# Altium PCB PCB1.PcbDoc (part 1 of 4) (continued)
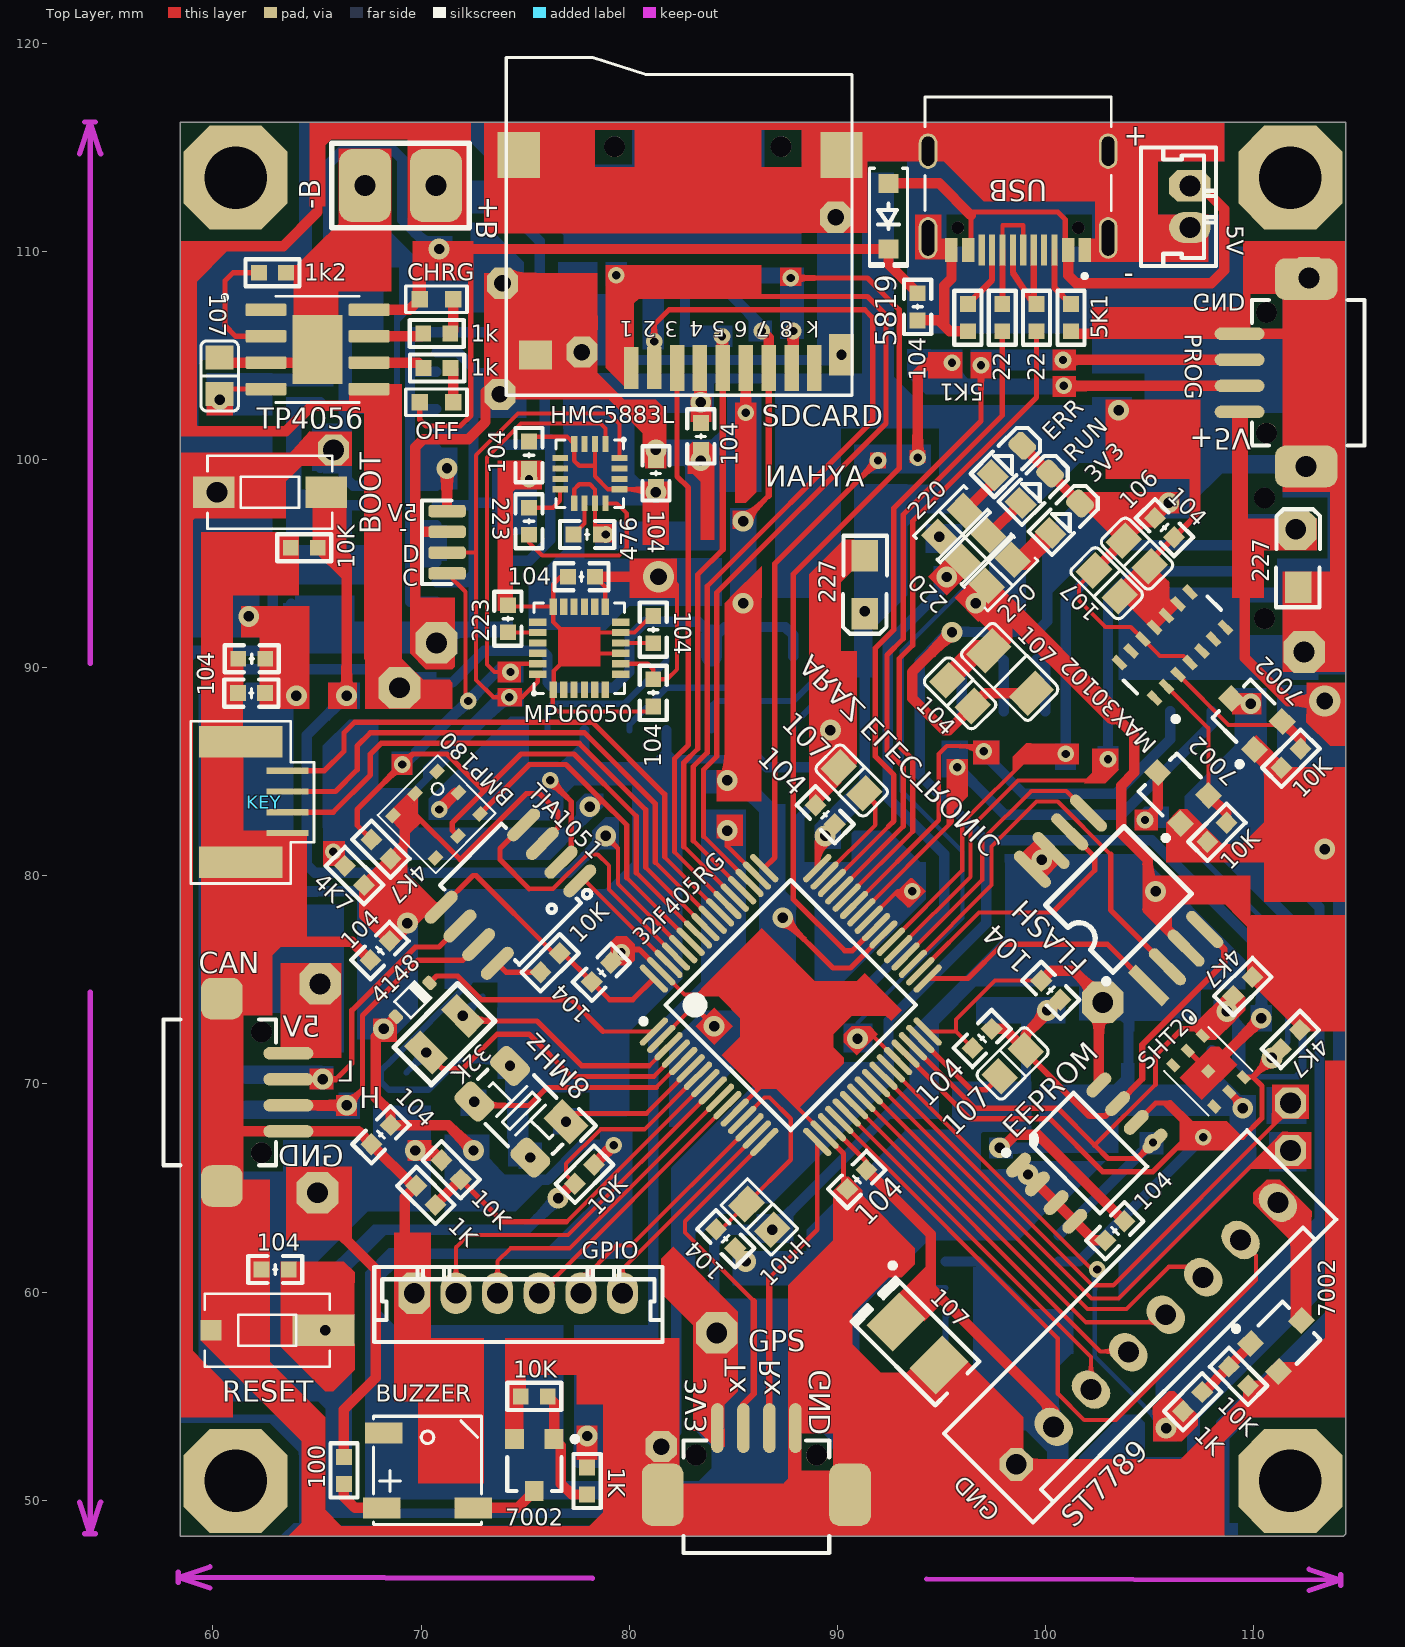
[diagram p0: Top Layer view]
## Components (designator, comment, footprint, x,y, rotation, side; value= is the part's Value field where it differs from the comment) (continued)
FLASH "W25Qxx" SOP8W_N 103.505,78.867 r135 top (schematic designator IC3)
GPIO "Comment" TMS2_6 74.676,59.944 r0 top
GPS "DF13-4" DF13_4S#2 86.106,53.467 r180 top (schematic designator J5)
GSM "DF13-4" DF13_4S#2 109.22,95.25 r90 bottom (schematic designator J3)
HMC5883L "HMC5883L" LPCC16_HNW 78.105,99.314 r270 top (schematic designator IC5)
KEY "Comment" SH1.0mm-4PIN 62.463,83.541 r0 top
MAX30102 "MAX30102EFD+" FP-F143A5-1-MFG 106.089,91.081 r135 top (schematic designator IC8)
MPU6050 "MPU6050" QFN24_4X4X0P9_IVS 77.597,90.932 r90 top (schematic designator IC7)
OFF "Val" LED_0603 70.739,102.743 r180 top (schematic designator LED1)
PROG "DF13-4" DF13_4S#2 109.317,104.161 r270 top (schematic designator J7)
R25 "10K" "R 0603_L" 84.328,109.616 r270 bottom
R26 "10K" "R 0603_L" 82.677,109.616 r270 bottom
R27 "10K" "R 0603_L" 81.026,109.616 r270 bottom
R27 "10K" "R 0603_L" 79.375,109.616 r270 bottom
RESET "WE-Tact Switches WS-TASV 434113043826" 434113043826#2 62.611,58.166 r180 top (schematic designator SW5)
RGB1 "全彩LED" WS2812 76.962,88.773 r270 bottom (schematic designator LED3)
RGB2 "全彩LED" WS2812 80.899,88.773 r270 bottom (schematic designator LED4)
RGB3 "全彩LED" WS2812 84.836,88.773 r270 bottom (schematic designator LED5)
RGB4 "全彩LED" WS2812 88.773,88.773 r270 bottom (schematic designator LED6)
RUN "Comment" LED_0805_RED 99.51,98.61 r45 top
SDCARD "SD" TF-01A 90.196,114.621 r180 top (schematic designator P1)
SHT20 "SHT20" XDCR_SHT20 107.823,70.612 r315 top (schematic designator U)
ST7789 "Comment" WF_8 104.875,58.012 r45 top
TJA1051 "TJA1051" SO_8 74.295,79.121 r225 top (schematic designator U5)
TP4056 "TP4056" SOP127P600X175-9N 65.024,105.283 r0 top (schematic designator U2)
USB "TYPE-C-31-M-12" HRO_TYPE-C-31-M-12 98.679,114.808 r180 top (schematic designator J1)
? "Comment" HDR1SE_M_1X4 71.247,96.02 r270 top

## Footprints (in the part's own frame and the unit in brackets; to place one, negate y for a bottom-side part, rotate by r counter-clockwise, add the part's x,y. Pads: shape width x height; smd on the part's side, far side on the other; paste and mask are expansions set on the pad)
5020BUZZER [mm]
  rect 1x1.8 smd: 1(1.8,-2.25) 2(1.8,2.152) 3(-1.8,-2.151)
  silkscreen extent -2.6,-2.65 2.6,2.55, body extent -2.6,-2.7 2.6,2.5, height 2
434113043826#1 [mm] "6.0*3.5mm vertical type, J-Bend SMD, height 4.3mm, white actuator, 260gf, T&R"
  rect 2x1.5 smd: 1(-2.7,0) 2(2.7,0)
  silkscreen extent -3,-1.75 3,1.75, body extent -3.65,-1.75 3.65,1.75, height 4.3
434113043826#2 [mm] "6.0*3.5mm vertical type, J-Bend SMD, height 4.3mm, white actuator, 260gf, T&R"
  rect 3x1.5 smd: 1(-2.7,0)
  rect 1x1 smd: 2(2.7,0)
  silkscreen extent -3,-1.75 3,1.75, body extent -3.65,-1.75 3.65,1.75, height 4.3
ABS0732768KHZ7T [mil]
  rect 43x75 smd: 1(-49,0) 2(49,0)
  silkscreen extent -85,-50 85,50, body extent -63,-30 63,30, height 35
"battery connector" [mm]
  rrect50% 2.5x3.5 smd: 1(-1.7,0) 2(1.7,0)
  silkscreen extent -3.3,-2.03 3.3,2.03
BMP180 [mm]
  rect 0.6x0.5 smd: 1(1.5,1.45) 2(0,1.45) 3(-1.5,1.45) 4(-1.5,-1.45) 5(0,-1.45) 6(1.5,-1.45) 7(1.5,0)
  silkscreen extent -2.01,-1.96 2.06,1.98, body extent -1.87,-1.78 1.93,1.82, height 0.98
C0402 [mm]
  rrect50% 0.5x0.5 smd: 1(0,0.463) 2(0,-0.463)
  silkscreen extent -0.39,-0.84 0.39,0.84
"C 0603_L" [mil] "ÎÞ¼«ÐÔÌùÆ¬µçÈÝ"
  rect 30x30 smd: 1(-25.59,0) 2(25.59,0)
  silkscreen extent -51,-26 51,26, body extent -31,-16 31,16, height 32
C_1206 [mil]
  rect 60x50 smd: 1(-55,0) 2(55,0)
  silkscreen extent -93,-42 93,41, body extent -63,-31 63,31, height 63
"CAP 0805_2012" [mm] "Chip Capacitor, 2-Leads, Body 2.00x1.20mm, IPC Medium Density"
  rect 1.15x1.35 smd: 1(-0.875,0) 2(0.875,0)
  silkscreen extent -1.68,-0.9 1.69,0.9, body extent -0.99,-0.62 1.01,0.65, height 1.26
"CAP 1206_3216 - 0.8MM" [mm] "Chip Capacitor, 2-Leads, Body 3.25x1.60mm, IPC Medium Density"
  rect 1.3x1.8 smd: 1(-1.45,0) 2(1.45,0)
  Top Layer pour cut-out: -0.75,0.95 0.7,0.95 0.7,-0.9 -0.75,-0.9
  silkscreen extent -2.32,-1.12 2.31,1.12, body extent -1.6,-0.8 1.6,0.8, height 0.8
"CAP TANSMD 1411_3528 CASE B" [mm] "Molded Capacitor, 2-Leads, Body 3.50x2.80mm, Case B, IPC Medium Density"
  rect 1.8x2.23 smd: 1(-1.46,0) 2(1.46,0)
  silkscreen extent -3.62,-1.5 2.71,1.92, body extent -1.87,-1.45 1.86,1.45, height 2
DF13_4S#1 [mm] "Hirose Connector DF13-4P-1.25H, DF13 4WAY pitch:1.25mm"
  oval 0.6x2.4 smd: 1(-1.875,0) 2(-0.625,0) 3(0.625,0) 4(1.875,0)
  rrect50% 2x2 smd: ""(-4.5,3.2) ""(4.5,3.2)
  round 1 hole 1 unplated mask+0.102: ""(-2.9,1.3) ""(2.9,1.3)
  silkscreen extent -3.5,0.6 3.5,6, body extent -4.83,-0.6 4.83,5.9, height 3.58
DF13_4S#2 [mm] "Hirose Connector DF13-4P-1.25H, DF13 4WAY pitch:1.25mm"
  oval 0.6x2.4 smd: 1(-1.875,0) 2(-0.625,0) 3(0.625,0) 4(1.875,0)
  rrect50% 2x3 smd: ""(-4.5,3.2) ""(4.5,3.2)
  round 1 hole 1 unplated mask+0.102: ""(-2.9,1.3) ""(2.9,1.3)
  silkscreen extent -3.5,0.6 3.5,6, body extent -4.83,-0.6 4.83,5.9, height 3.58
ESP07 [mm] "ESP8266 ESP-01"
  rect 0.8x1.66 smd: 1(5.533,-0.178) 2(7.533,-0.178) 3(9.533,-0.178) 4(11.533,-0.178) 5(13.533,-0.178) 6(15.533,-0.178) 7(17.533,-0.178) 8(19.55,-0.2) 9(19.55,16.1) 10(17.533,16.104) 11(15.533,16.104) 12(13.533,16.104) 13(11.533,16.104) 14(9.533,16.104) 15(7.533,16.104) 16(5.533,16.104)
  silkscreen extent -0.85,-0.1 21.15,16, body extent -0.8,-0.05 21.2,15.95, height 3.6
FP-F143A5-1-MFG [mm]
  rect 0.75x0.35 smd paste+0 mask+0: 1(-1.2,2.4) 2(-1.2,1.6) 3(-1.2,0.8) 4(-1.2,0) 5(-1.2,-0.8) 6(-1.2,-1.6) 7(-1.2,-2.4) 8(1.2,-2.4) 9(1.2,-1.6) 10(1.2,-0.8) 11(1.2,0) 12(1.2,0.8) 13(1.2,1.6) 14(1.2,2.4)
  silkscreen extent -2.75,-2.85 0.45,2.85, body extent -2.2,-3.35 2.2,3.35, height 0.25
HDR1SE_M_1X4 [mm] "HEADER, 1mm, test, SMD"
  rrect50% 0.6x1.8 smd mask+0.1: 1(-1.5,0) 2(-0.5,0) 3(0.5,0) 4(1.5,0)
  silkscreen extent -2,-1.2 2,0.2
HRO_TYPE-C-31-M-12 [mm]
  rect 0.6x1.14 smd mask+0.05: A1_B12(-3.2,4.75) A4_B9(-2.4,4.75) B1_A12(3.2,4.75) B4_A9(2.4,4.75)
  rect 0.3x1.5 smd mask+0.05: A5(-1.25,4.75) A6(-0.25,4.75) A7(0.25,4.75) A8(1.25,4.75) B5(1.75,4.75) B6(0.75,4.75) B7(-0.75,4.75) B8(-1.75,4.75)
  oval 0.9x2 hole 0.6 slot 1.7 at 90 deg: S1(-4.325,4.17) S2(4.325,4.17)
  oval 0.9x1.7 hole 0.6 slot 1.4 at 90 deg: S3(-4.325,0) S4(4.325,0)
  round 0.6 hole 0.6 unplated: ""(-2.89,3.68) ""(2.89,3.68)
  silkscreen extent -4.47,-2.6 4.47,6.1, body extent -4.47,-2.6 4.47,5.3, height 3.31
"IND 0805_2012" [mm]
  rect 1.15x1.35 smd: 1(-0.875,0) 2(0.875,0)
  silkscreen extent -1.7,-0.9 1.7,0.9, body extent -1,-0.62 1,0.63, height 1.1
LED_0603 [mm] "LED_0603"
  rect 0.8x0.8 smd: 1(0.8,0) 2(-0.8,0)
  silkscreen extent -1.47,-0.63 1.47,0.64, body extent -0.8,-0.4 0.8,0.4, height 0.6
LED_0805_GREEN [mm] "LED SMD 0805, GREEN"
  rect 1x1.2 smd mask+0.075: 1(-1,0)
  rrect50% 1x1.2 smd mask+0.075: 2(1,0)
  Top Layer pour cut-out: -0.5,0.8 0.5,0.8 0.5,-0.8 -0.5,-0.8
  silkscreen extent -1.7,-0.8 1.8,0.8, body extent -1,-0.63 1,0.63, height 0.7
LED_0805_RED [mm] "LED SMD 0805, RED"
  rect 1x1.2 smd mask+0.075: 1(-1,0)
  rrect50% 1x1.2 smd mask+0.075: 2(1,0)
  Top Layer pour cut-out: -0.5,0.8 0.5,0.8 0.5,-0.8 -0.5,-0.8
  silkscreen extent -1.7,-0.8 1.8,0.8, body extent -1,-0.63 1,0.63, height 0.7
LPCC16_HNW [mm]
  rect 0.75x0.3 smd paste+0 mask+0: 1(-1.425,0.75) 2(-1.425,0.25) 3(-1.425,-0.25) 4(-1.425,-0.75) 9(1.425,-0.75) 10(1.425,-0.25) 11(1.425,0.25) 12(1.425,0.75)
  rect 0.3x0.75 smd paste+0 mask+0: 5(-0.75,-1.425) 6(-0.25,-1.425) 7(0.25,-1.425) 8(0.75,-1.425) 13(0.75,1.425) 14(0.25,1.425) 15(-0.25,1.425) 16(-0.75,1.425)
  silkscreen extent -1.7,-1.63 1.63,1.7, body extent -1.5,-1.5 1.5,1.5, height 0.89
"OSC 5032-4P" [mm] "5mm*3.2mm*0.8mm(³¤*¿í*¸ß)"
  rect 1.8x1.3 smd: 1(-1.9,-1.15)
  rrect50% 1.8x1.3 smd: 2(1.9,-1.15) 3(1.9,1.272) 4(-1.9,1.272)
  silkscreen extent -3.05,-2.03 2.54,1.65, body extent -2.5,-1.6 2.5,1.6, height 0.86
QFN24_4X4X0P9_IVS [mm]
  rect 0.8x0.35 smd paste+0 mask+0: 1(-1.994,1.25) 2(-1.994,0.75) 3(-1.994,0.25) 4(-1.994,-0.25) 5(-1.994,-0.75) 6(-1.994,-1.25) 13(1.994,-1.25) 14(1.994,-0.75) 15(1.994,-0.25) 16(1.994,0.25) 17(1.994,0.75) 18(1.994,1.25)
  rect 0.35x0.85 smd paste+0 mask+0: 7(-1.25,-1.994) 8(-0.75,-1.994) 9(-0.25,-1.994) 10(0.25,-1.994) 11(0.75,-1.994) 12(1.25,-1.994) 19(1.25,1.994) 20(0.75,1.994) 21(0.25,1.994) 22(-0.25,1.994) 23(-0.75,1.994) 24(-1.25,1.994)
  silkscreen extent -2.25,-2.17 2.17,2.25, body extent -2.04,-2.04 2.05,2.05, height 0.94
"R 0603_L" [mil] "1/10WÌùÆ¬µç×è"
  rect 30x30 smd: 1(-25.59,0) 2(25.59,0)
  silkscreen extent -51,-26 51,26, body extent -31,-16 32,16, height 16
"RES 0805_2012" [mm] "Chip Resistor, 2-Leads, Body 2.00x1.25mm, IPC Medium Density"
  rect 1.15x1.35 smd: 1(-0.875,0) 2(0.875,0)
  silkscreen extent -1.7,-0.9 1.7,0.9, body extent -0.95,-0.62 1.05,0.63, height 0.6
SH1.0mm-4PIN [mm]
  rect 2x0.3 smd: 1(1.122,1.508) 2(1.122,0.508) 3(1.122,-0.492) 4(1.122,-1.492)
  rect 4x1.5 smd: 8(-1.122,-2.896) 8(-1.122,2.896)
  silkscreen extent -3.53,-3.91 2.4,3.89
SO_8 [mm] "SOP-8, 5x3.9mm body 1.27mm pitch, SOT96-1, M08A, S8, SOIC8, VO8, MS-012AA(JEDEC), R-8, 8S2, VOG8"
  oval 2x0.6 smd: 1(-2.8,1.905) 2(-2.8,0.635) 3(-2.8,-0.635) 4(-2.8,-1.905) 5(2.8,-1.905) 6(2.8,-0.635) 7(2.8,0.635) 8(2.8,1.905)
  silkscreen extent -2.8,-2.7 2.1,2.8, body extent -3,-2.45 3,2.45, height 1.7
SOD-123 [mm] "SOD, 2-Leads, Body 1.55x3.70mm, IPC Medium Density"
  rect 0.9x0.95 smd: 1(-1.575,0) 2(1.575,0)
  silkscreen extent -2.3,-0.92 2.41,0.92, body extent -1.86,-0.78 1.86,0.77, height 1.35
SOD-323 [mil]
  rrect50% 20x25 smd: 1(-45,0) 2(45,0)
  silkscreen extent -27,-22 27,22, body extent -51,-27 51,27, height 43
"SOIC-8 4.9X3.9MM P1.27MM" [mm] "SOIC, 8-Leads, Body 4.90x3.90mm, Pitch 1.27mm, IPC Medium Density"
  oval 1.45x0.6 smd: 1(-2.725,1.905) 2(-2.725,0.635) 3(-2.725,-0.635) 4(-2.725,-1.905) 5(2.725,-1.905) 6(2.725,-0.635) 7(2.725,0.635) 8(2.725,1.905)
  silkscreen extent -2.85,-2.5 1.6,2.88, body extent -3.01,-2.45 3.01,2.45, height 1.5
SOP8W_N [mm] "5.3*8.3*1.8mm£¨³¤¿í¸ß£©"
  rect 2.3x0.55 smd: 1(-3.95,1.905)
  oval 2.3x0.55 smd: 2(-3.95,0.635) 3(-3.95,-0.635) 4(-3.95,-1.905) 5(3.95,-1.905) 6(3.95,-0.635) 7(3.95,0.635) 8(3.95,1.905)
  silkscreen extent -2.37,-2.67 2.29,3.19, body extent -3.94,-2.64 3.94,2.64, height 1.9
SOP127P600X175-9N [mm]
  rrect25% 1.97x0.6 smd: 1(-2.475,1.905) 2(-2.475,0.635) 3(-2.475,-0.635) 4(-2.475,-1.905) 5(2.475,-1.905) 6(2.475,-0.635) 7(2.475,0.635) 8(2.475,1.905)
  rect 2.413x3.302 smd paste-3: 9(0,0)
  silkscreen extent -4.54,-2.55 2,2.6, body extent -3,-2.45 3,2.45, height 1.75
SOT-23-3 [mm] "SOT-23; 3 Leads; Body 3.0 x 2.6 mm, inc. leads (LxW max)"
  rect 0.9x0.95 smd: 1(-0.95,-1.25) 2(0.95,-1.25) 3(0,1.25)
  silkscreen extent -2.07,-1.37 1.3,1.25, body extent -1.5,-1.19 1.5,1.45, height 1.08
SOT-23-5_MC_MCH [mm]
  rect 1.1x0.6 smd paste+0 mask+0: 1(-1.4,0.95) 2(-1.4,0) 3(-1.4,-0.95) 4(1.4,-0.95) 5(1.4,0.95)
  silkscreen extent -0.89,-1.63 1.03,1.63, body extent -1.6,-1.55 1.6,1.55, height 1.45
STM-LQFP64_N [mm] "Thin QFP, 64-Leads, Body 10x10mm, Pitch 0.5mm, IPC Medium Density"
  oval 1.8x0.3 smd: 1(-5.55,3.75) 2(-5.55,3.25) 3(-5.55,2.75) 4(-5.55,2.25) 5(-5.55,1.75) 6(-5.55,1.25) 7(-5.55,0.75) 8(-5.55,0.25) 9(-5.55,-0.25) 10(-5.55,-0.75) 11(-5.55,-1.25) 12(-5.55,-1.75) 13(-5.55,-2.25) 14(-5.55,-2.75) 15(-5.55,-3.25) 16(-5.55,-3.75) 33(5.55,-3.75) 34(5.55,-3.25) 35(5.55,-2.75) 36(5.55,-2.25) 37(5.55,-1.75) 38(5.55,-1.25) 39(5.55,-0.75) 40(5.55,-0.25) 41(5.55,0.25) 42(5.55,0.75) 43(5.55,1.25) 44(5.55,1.75) 45(5.55,2.25) 46(5.55,2.75) 47(5.55,3.25) 48(5.55,3.75)
  oval 0.3x1.8 smd: 17(-3.75,-5.55) 18(-3.25,-5.55) 19(-2.75,-5.55) 20(-2.25,-5.55) 21(-1.75,-5.55) 22(-1.25,-5.55) 23(-0.75,-5.55) 24(-0.25,-5.55) 25(0.25,-5.55) 26(0.75,-5.55) 27(1.25,-5.55) 28(1.75,-5.55) 29(2.25,-5.55) 30(2.75,-5.55) 31(3.25,-5.55) 32(3.75,-5.55) 49(3.75,5.55) 50(3.25,5.55) 51(2.75,5.55) 52(2.25,5.55) 53(1.75,5.55) 54(1.25,5.55) 55(0.75,5.55) 56(0.25,5.55) 57(-0.25,5.55) 58(-0.75,5.55) 59(-1.25,5.55) 60(-1.75,5.55) 61(-2.25,5.55) 62(-2.75,5.55) 63(-3.25,5.55) 64(-3.75,5.55)
  silkscreen extent -5.67,-4.25 4.25,4.57, body extent -5,-5 5,5, height 1.6
TF-01A [mm] "TF-01A"
  round 1 hole 1 unplated: 0(2.9,-0.4) 0(10.9,-0.4)
  rect 0.7x2 smd: 1(10.1,10.227) 2(9,10.227)
  rect 0.7x2.2 smd: 3(7.9,10.227) 4(6.8,10.227) 5(5.7,10.227) 6(4.6,10.227) 7(3.5,10.227) 8(2.4,10.227) 9(1.3,10.227)
  rect 2.032x2.2 smd: 10(0,0) 10(15.5,0)
  rect 1.2x2 smd: 10(0,9.6)
  rect 1.6x1.4 smd: 10(14.7,9.6)
  silkscreen extent -0.5,-4.68 16.1,11.54, body extent -0.15,-4.27 15.85,10.98, height 2
TMS2_2 [mm] "pitch: 2.0mm"
  oct 1.5x2 hole 1: 1(-1,0)
  oval 1.5x2 hole 1: 2(1,0)
  silkscreen extent -2.84,-2.35 2.84,1.26
TMS2_6 [mm] "pitch: 2.0mm"
  oct 1.5x2 hole 1: 1(-5,0)
  oval 1.5x2 hole 1: 2(-3,0) 3(-1,0) 4(1,0) 5(3,0) 6(5,0)
  silkscreen extent -6.92,-2.35 6.92,1.26
WF_8 [mm] "DS1070  WF, Cvilux CI31 pitch 2.54mm"
  oct 1.5x1.5 hole 1: 1(-8.89,0)
  oval 1.5x2 hole 1: 2(-6.35,0) 3(-3.81,0) 4(-1.27,0) 5(1.27,0) 6(3.81,0) 7(6.35,0) 8(8.89,0)
  silkscreen extent -10.3,-2.55 10.3,3.5, body extent -10.16,-2.4 10.16,3.4, height 11.56
WS2812 [mm]
  rect 1.5x0.9 smd: 1(-1.778,0.889) 2(-1.778,-0.889) 3(1.778,-0.889) 4(1.778,0.889)
  silkscreen extent -1.78,-1.4 1.78,1.4, body extent -1.72,-1.4 1.78,1.4, height 1.9
XDCR_SHT20 [mm]
  rect 0.6x0.4 smd paste-1: 1(-1.4,1) 2(-1.4,0) 3(-1.4,-1) 4(1.4,-1) 5(1.4,0) 6(1.4,1)
  rect 0.5x0.5 smd paste-1 mask+0: 7(0,0)
  Top Layer region: 0.75,-1.2 -0.75,-1.2 -0.75,0.9 -0.45,1.2 0.75,1.2
  silkscreen extent -2.4,-1.5 1.5,1.5
XTL_2_3215 [mm] "ABS07 3.2x1.5mm"
  rrect50% 1.6x1.6 smd mask+0.075: 1(-1.4,0) 2(1.4,0)
  Top Layer pour cut-out: -1.4,0.8 -1.4,-0.8 1.4,-0.8 1.4,0.8
  silkscreen extent -1.6,-0.9 1.6,0.9, body extent -1.61,-0.76 1.61,0.76, height 0.91

## Part data
1K 1K 1K 1K 1k 1k 1K 1K 1k2 4K7 4K7 4K7 4K7 5K1 5K1 5X10K 10K 10K 10K 10K 10K 10K 10K 10K 22 22 100 120 R25 R26 R27 R27: library part R, "????"
1V8 3V3 3V3 3V3: library part LP2981IM5
8MHz: library part XTAL-4P, "4?????"
10uH: library part "Ind 0805", "SMT Inductor"
22p 22p 104 104 104 104 104 104 104 104 104 104 104 104 104 104 104 104 104 104 104 104 104 104 104 223 223 476 C17: library part C, "???????"
  104: BOM??=???????, ????=www.ooocke.com
22p 22p: library part C
32F405RG: "ARM Cortex-M4 32-bit MCU+FPU, 210 DMIPS, 1024 kB Flash, 192 kB Internal RAM, 51 I/Os, 64-pin LQFP, -40 to 85 degC, Tray"
32K: library part CRYSTAL_OSC_2PINS
104 104 106 107 107 107 107: library part "Cap 0805", "SMT Capacitor"
4148: "???????"
5819: library part "1N5819 (SMD)", "Diode Schottky 40V 1A Surface Mount SOD-123  Speed Fast Recovery =< 500ns, > 200mA (Io)"
-B: library part 1x2_CONNECTOR
BOOT RESET: "WS-TASV J-Bend SMD Tact Switch 6.0X3.5 mm"
BUZZER: "?????5020????"
CAN GPS GSM PROG: library part DF13_4S, "Connector DF13-4P-1.25H, DF13 4WAY pitch:1.25mm"
CHRG OFF: library part LED
DS1307: library part "DS1307 (SMD)", "Real Time Clock (RTC) IC Clock/Calendar 56B I²C, 2-Wire Serial 8-SOIC (0.154\", 3.90mm Width)"
EEPROM: library part "AT24C04 (SMD SOIC)", "EEPROM Memory IC 4Kb (128 x 8) I²C 1MHz 550ns (1.7~5.5V)  8-SOIC"
FLASH: "??Flash"
MAX30102: library part MAX30102, "IC SENSOR OXIMETER/HEARTRATE"
RGB1 RGB2 RGB3 RGB4: library part WS2812, "??LED"
SDCARD: library part "Micro SD_TF-01A", "TF-01A / C91145"
SHT20: "SENSOR HUMID/TEMP 3V I2C 3% SMD"
TJA1051: library part TJA1051_SOP8, "CAN, phy, High sp 5Mbps, 5V (VDD), 3/5V (VIO)"
TP4056: "Complete single cell Li-Ion battery with a constant current / constant voltage linear charger"
USB: "USB Connectors 24 Receptacle 1 8.94*7.3mm RoHS"

## Free pads (board coordinates)
  oct 5x5 hole 3: 2(111.76,50.927) 3(61.087,50.927) 4(61.087,113.538) 5(111.76,113.538)
  oct 2x2 hole 1: 6(70.71,113.157) 7(67.31,113.157) 8(112.517,99.661) 9(112.42,90.75) 10(112.649,108.712) 11(112.014,96.647) 12(68.961,89.027) 13(70.739,91.186) 16(102.743,73.914) 17(65.024,64.77) 18(65.151,74.803) 28(84.201,58.039)
  oct 1.5x1.5 hole 0.8: 14(73.914,108.458) 23(73.787,103.124) 25(77.724,105.156) 26(89.916,111.633) 27(81.534,52.578)
  oct 1.5x1.5 hole 1: 19(111.76,69.088) 20(111.76,66.802) 21(65.786,100.457) 22(60.198,98.425)

## Via types
v1: diameter 1, hole 0.5, Top Layer to Bottom Layer, 58 vias
v2: diameter 0.8, hole 0.4, Top Layer to Bottom Layer, 33 vias
v3: diameter 1.5, hole 0.8, Top Layer to Bottom Layer, 2 vias

## Nets (pads, with @x,y where several pads share a name; then routed paths per layer and width w, separated by ;. In a path a pad name is that pad's centre, name@x,y a point inside that pad or via, vN(x,y) a via of type N, cw(c..) or ccw(c..) an arc to the next point about the centre after c; other vN are vias at no path point)
1V8: 1V8.5 10K.1@107.774,81.63 10K.1@111.33,85.186 104.2@63.754,94.376 107.1@65.405,95.123 7002.1@106.48,82.521 7002.1@110.026,86.066 | length 152.6
  Top Layer w0.3: 7002.1@106.48,82.521 106.883,82.521 10K.1@107.774,81.63 108.124,81.28 v1(113.411,81.28) 113.411,83.105 10K.1@111.33,85.186 110.905,85.186 7002.1@110.026,86.066
  Bottom Layer w0.3: 62.611,90.805 59.309,90.805 58.801,90.297 58.801,54.991 59.817,53.975 62.992,53.975 64.643,52.324 64.643,48.641 107.442,48.641 108.331,49.53 108.331,53.721 113.95,59.34 113.95,56.388 113.95,80.741 v1(113.411,81.28)
  Bottom Layer w0.5: 104.2@63.754,94.376 64.501,95.123 107.1@65.405,95.123 65.471,95.057 1V8.5@67.942,95.057
1111111: 220.2@97.255,96.355 RUN.1 | length 2.2
  Top Layer w0.5: 220.2@97.255,96.355 RUN.1@98.803,97.903
2222222: 3V3.1@100.24,96.466 220.2@98.413,95.177 | length 2.4
  Top Layer w1: 220.2@98.413,95.177 98.952,95.177 3V3.1@100.24,96.466
3333333: 220.2@96.123,97.52 ERR.1 | length 2.3
  Top Layer w0.5: 220.2@96.123,97.52 97.464,98.861 ERR.1@97.464,99.242
5555555: 
6666666: 
8888888: 
44444444: 
77777777: 
+5: 104.2@93.853,107.98 107.2@60.325,103.138 5819.2 CHRG.1 OFF.1 TP4056.4 TP4056.8 | length 69
  Top Layer w0.254: 107.2@60.325,103.138 60.565,103.378 TP4056.4@62.549,103.378 ; OFF.1@69.939,102.743 69.939,101.892 70.231,101.6 71.882,101.6 72.39,102.108 72.39,110.109
  Top Layer w0.5: TP4056.8@67.499,107.188 69.431,107.188 CHRG.1@69.939,107.696 69.939,109.309 70.739,110.109 v1(70.866,110.109) 72.39,110.109 ; 72.517,110.109 5819.2@92.456,110.109 92.456,109.377 104.2@93.853,107.98
  Bottom Layer w0.5: v1(60.325,102.87) 60.325,103.251 60.96,103.886 65.532,103.886 65.532,114.173 66.167,114.808 68.707,114.808 69.088,114.427 69.088,111.506 70.485,110.109 v1(70.866,110.109)
AAAAAAAA: 32F405RG.28 220.1@94.885,96.282 | length 32.4
  Top Layer w0.2: v1@90.678,71.882 v1(90.964,72.168) 91.059,72.263 91.756,72.263 32F405RG.28@92.919,71.1
  Bottom Layer w0.2: v1(90.964,72.168) 90.964,72.93 96.012,77.978 96.012,81.153 93.091,84.074 93.091,90.805 96.266,93.98 96.266,95.25 95.234,96.282 v1(94.885,96.282)
ADC2: 32F405RG.9 GPIO.2 | length 17.7
  Top Layer w0.2: GPIO.2@71.676,59.944 71.676,62.151 72.263,62.738 77.062,62.738 32F405RG.9@84.009,69.686
ADC_BATT: 1K.2@70.691,64.183 10K.2@71.9,65.414 32F405RG.8 | length 17.1
  Top Layer w0.2: 76.989,63.373 32F405RG.8@83.656,70.039
  Top Layer w0.254: 1K.2@70.691,64.183 1K.2@70.691,64.204 ; 10K.2@71.9,65.414 73.941,63.373 76.989,63.373
  Top Layer w0.5: 1K.2@70.691,64.204 10K.2@71.9,65.414
BATT+: 1V8.1 1V8.3 3V3.1@70.742,98.74 3V3.1@70.742,102.423 3V3.1@70.742,106.106 3V3.3 10K.1@70.981,66.333 100.1 104.2@74.041,93.36 104.2@74.041,95.137 104.2@74.041,100.697 107.1@74.041,105.791 227.1@112.141,96.647 -B.1 ?.1 CAN.4 GSM.4 pad.6 pad.11 pad.12 pad.17 pad.18 PROG.4 RGB1.1 RGB2.1 RGB3.1 RGB4.1 TP4056.5 | length 333.1
  Top Layer w0.5: CAN.4@63.627,71.471 63.627,73.279 pad.18@65.151,74.803 ; pad.17@65.024,64.77 65.024,63.881 67.818,61.087 67.818,55.88 66.294,54.356 100.1@66.294,52.085 100.1@66.436,51.943 ; pad.12@68.961,89.027 67.499,90.489 TP4056.5@67.499,103.378 66.706,102.585 64.739,102.585 63.5,101.346 59.182,101.346 58.997,101.531 58.997,108.654 60.579,110.236 63.373,110.236 65.024,111.887 65.024,115.062 65.59,115.628 70.173,115.628 70.71,115.091 -B.1@70.71,113.157 ; v1(69.723,66.802) 70.512,66.802 10K.1@70.981,66.333 ; ?.1@71.247,97.52 v1(71.247,99.568) ; PROG.4@109.317,102.286 109.317,96.677 109.347,96.647 110.617,96.647 ; 227.1@112.141,97.028 112.141,96.774 pad.11@112.014,96.647 110.617,96.647 ; v3(113.411,88.392) 111.66,88.392 109.57,90.482 109.57,95.6 110.617,96.647
  Bottom Layer w0.45: 66.04,50.165 66.837,49.368 106.645,49.368 107.188,49.911 107.188,54.102
  Bottom Layer w0.5: 59.563,74.676 59.563,64.643 ; pad.18@65.151,74.803 59.563,74.803 59.563,88.9 60.579,89.916 67.818,89.916 68.453,89.281 68.707,89.281 pad.12@68.961,89.027 69.215,89.281 71.501,89.281 73.025,90.805 75.819,90.805 RGB1.1@76.073,90.551 76.073,89.281 76.327,89.027 79.248,89.027 80.01,89.789 RGB2.1@80.01,90.551 80.01,91.44 80.772,92.202 83.312,92.202 83.947,91.567 84.201,91.567 84.582,91.948 87.503,91.948 87.884,91.567 RGB4.1@87.884,90.551 ; 66.04,50.165 66.04,54.102 65.151,54.991 60.071,54.991 59.563,55.499 59.563,64.643 ; v1(69.723,66.802) 67.691,64.77 pad.17@65.024,64.77 59.69,64.77 59.563,64.643 ; pad.6@70.71,113.157 73.025,113.157 75.692,110.49 75.692,106.172 75.311,105.791 ; 1V8.3@70.742,93.157 69.469,93.157 69.469,95.123 ; 1V8.1@70.742,95.057 69.535,95.057 69.469,95.123 ; 3V3.3@70.742,96.84 69.657,96.84 69.469,97.028 ; 3V3.3@70.742,100.523 69.53,100.523 69.469,100.584 ; 3V3.1@70.742,102.423 69.535,102.423 69.469,102.489 ; 3V3.3@70.742,104.206 69.53,104.206 69.469,104.267 ; v1(71.247,99.568) 71.247,99.245 3V3.1@70.742,98.74 69.53,98.74 69.469,98.679 ; 104.2@74.041,93.36 74.041,95.137 75.198,95.137 76.2,96.139 76.2,100.965 ; 104.2@74.041,100.697 75.932,100.697 75.932,105.17 75.311,105.791 ; 107.188,54.102 113.157,60.071 113.157,78.486 111.76,79.883 111.76,82.423 113.792,84.455 113.792,88.011 v3(113.411,88.392) ; GSM.4@109.22,97.125 111.663,97.125 111.887,96.901 112.014,97.028 pad.11@112.141,97.028 ; 69.469,95.123 69.469,97.028 ; 69.469,97.028 69.469,98.679 ; 69.469,98.679 69.469,100.584 ; 69.469,100.584 69.469,102.489 ; 69.469,102.489 69.469,104.267 ; 69.469,104.267 69.469,105.918 69.657,106.106 3V3.1@70.742,106.106 73.726,106.106 107.1@74.041,105.791 75.311,105.791
  Bottom Layer w1: RGB3.1@83.947,90.551 83.947,91.567
BBBBBBBBBB: 32F405RG.14 GPIO.5 | length 11.7
  Top Layer w0.2: GPIO.5@77.676,59.944 77.676,60.531 79.375,62.23 80.089,62.23 32F405RG.14@85.777,67.918
BL-: 7002.3@112.295,58.627 ST7789.8 | length 6.1
  Top Layer w0.5: ST7789.8@111.161,64.298 112.295,63.165 7002.3@112.295,58.627
BOOT: 10K.1@65.039,95.758 32F405RG.60 BOOT.1 | length 41.7
  Top Layer w0.2: v1(78.867,81.915) 79.456,81.326 79.456,79.613 32F405RG.60@82.595,76.474
  Top Layer w0.5: BOOT.1@65.438,98.425 65.039,98.026 10K.1@65.039,95.758 66.421,94.376 v1(66.421,88.646)
  Bottom Layer w0.5: v1(66.421,88.646) 64.516,86.741 64.516,80.518 64.897,80.137 77.089,80.137 v1(78.867,81.915)
BUZZER: 1K.1@77.978,51.577 32F405RG.50 | length 36.1
  Top Layer w0.2: 84.709,81.431 32F405RG.50@86.131,80.01
  Top Layer w0.254: 84.709,81.431 v1(84.709,82.169)
  Top Layer w0.5: 1K.1@77.978,51.577 v1(77.978,53.086)
  Bottom Layer w0.5: v1(77.978,53.086) 81.153,56.261 81.153,72.263 84.709,75.819 v1(84.709,82.169)
CAN_H: 120.2 CAN.2 TJA1051.7 | length 19.3
  Top Layer w0.254: v1(66.431,68.971) 67.183,69.723 67.183,73.279 69.85,75.946 72.018,75.946 TJA1051.7@72.764,76.692
  Top Layer w0.5: CAN.2@63.627,68.971 v1(66.431,68.971)
  Bottom Layer w0.5: 120.2@61.595,68.946 66.406,68.946 v1(66.431,68.971)
CAN_L: 120.1 CAN.3 TJA1051.6 | length 16.5
  Top Layer w0.254: 65.903,70.221 66.675,70.993 66.675,73.533 69.723,76.581 70.857,76.581 TJA1051.6@71.866,77.59
  Top Layer w0.3: CAN.3@63.627,70.221 65.903,70.221
  Bottom Layer w0.254: v1@65.263,70.246 v1(65.278,70.231)
  Bottom Layer w0.5: 120.1@61.595,70.246 v1@65.263,70.246
CAN_RXD: 32F405RG.61 TJA1051.4 | length 14.6
  Top Layer w0.2: 75.184,79.375 76.334,79.375 77.985,81.026 78.486,81.026 79.029,80.483 79.029,79.333 32F405RG.61@82.242,76.12
  Top Layer w0.254: TJA1051.4@74.928,82.448 73.787,81.307 73.787,80.772 75.184,79.375
CAN_TXD: 32F405RG.62 TJA1051.1 | length 5.9
  Top Layer w0.2: TJA1051.1@77.901,79.754 32F405RG.62@81.888,75.767
  Top Layer w0.254: TJA1051.1@77.622,79.754 TJA1051.1@77.901,79.754
CCCCCCCC: 32F405RG.15 GPIO.6 | length 10.3
  Top Layer w0.2: GPIO.6@79.676,59.944 79.676,61.11 32F405RG.15@86.131,67.564
CL: 10K.2@108.693,82.55 7002.2@107.824,83.864 MAX30102.2 | length 7.7
  Top Layer w0.2: MAX30102.2@105.806,89.101 107.824,87.083 7002.2@107.824,83.864
  Top Layer w0.3: 10K.2@108.693,82.55 10K.2@108.693,82.995
  Top Layer w0.5: 7002.2@107.824,83.864 10K.2@108.693,82.995
DA: 10K.2@112.249,86.106 7002.2@111.369,87.409 MAX30102.3 | length 7.7
  Top Layer w0.2: MAX30102.3@106.371,89.667 108.789,87.249 111.209,87.249 7002.2@111.369,87.409
  Top Layer w0.3: 10K.2@112.249,86.106 10K.2@112.249,86.53
  Top Layer w0.5: 7002.2@111.369,87.409 10K.2@112.249,86.53
DDDDDDDDD: 32F405RG.10 GPIO.3 | length 15.5
  Top Layer w0.2: GPIO.3@73.676,59.944 73.676,61.484 74.295,62.103 77.134,62.103 32F405RG.10@84.363,69.332
DN: 22.2@99.568,107.457 USB.A7 USB.B7 | length 5.8
  Top Layer w0.2: 22.2@99.441,107.315 99.44,107.456 22.2@99.568,107.457
  Top Layer w0.3: USB.A7@98.429,110.058 98.429,108.976 22.2@99.438,107.46 ; USB.B7@99.429,110.058 99.429,108.843 99.432,108.84 22.2@99.438,107.46 ; 22.2@99.438,107.456 22.2@99.438,107.46 ; 22.2@99.44,107.456 22.2@99.438,107.46
DP: 22.2@97.917,107.457 USB.A6 USB.B6 | length 6
  Top Layer w0.2: 22.2@97.917,107.457 22.2@97.929,107.469 ; USB.B6@97.929,110.058 97.929,111.252 98.929,111.252 USB.A6@98.929,110.058
  Top Layer w0.3: 22.2@97.929,107.469 USB.B6@97.929,110.058
EEEEEEEEEE: 32F405RG.11 GPIO.4 | length 12.8
  Top Layer w0.2: GPIO.4@75.676,59.944 75.682,59.944 32F405RG.11@84.716,68.979
FFFFFFFFFF: 32F405RG.2 220.1@96.018,95.117 | length 36.1
  Top Layer w0.2: 32F405RG.2@81.534,72.161 82.78,73.406 83.439,73.406 v1(84.074,72.771)
  Top Layer w0.5: v1(95.25,94.349) 220.1@96.018,95.117
  Bottom Layer w0.5: v1(84.074,72.771) 88.519,72.771 89.281,73.533 90.296,73.533 95.123,78.36 95.123,81.026 92.414,83.735 92.414,91.144 95.25,93.98 v1(95.25,94.349)